# Altium PCB MCU025B.PcbDoc (part 2 of 3)
Units mm, origin at the board's own origin, x right, y up, seen from the top; angles counter-clockwise.
Board outline 60.42 x 146.24 mm, 6 copper layers (Top Signal, ISO GND, Middle Signal, PWR, SYS GND, Bottom Signal), stack 1.566 mm thick; 203 components, 176 nets, 822 pads, 366 vias.
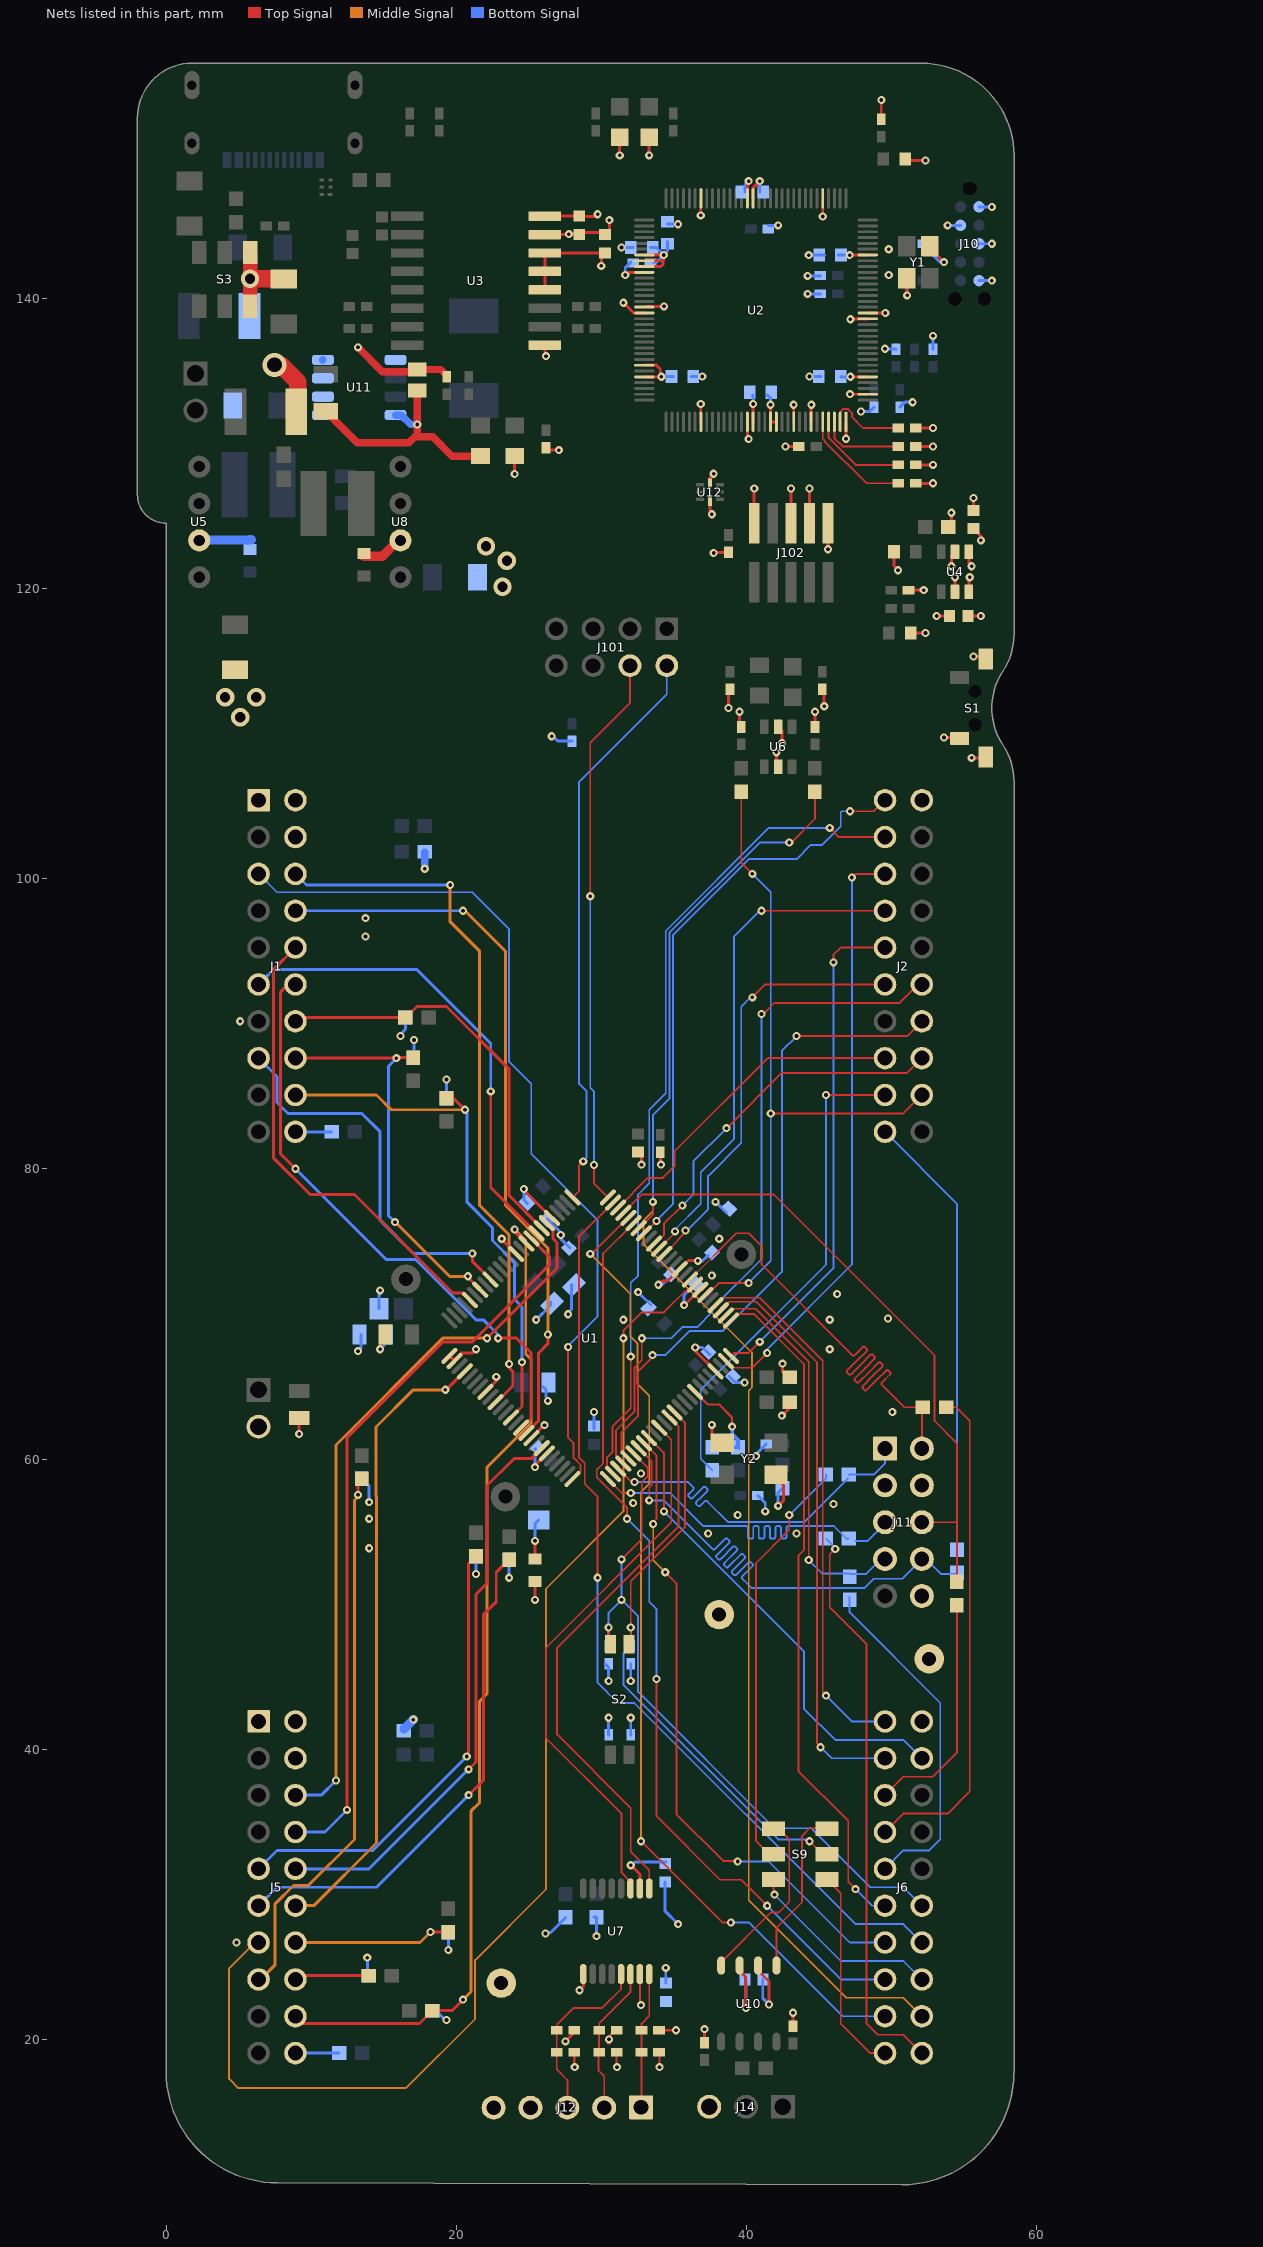
[diagram p6: the nets of this part, all layers, seen from the top]

## Part data (continued)
LED1 LED4 LED6: library part CMP-1426-00010-4, "Led, Red, 630 Nm, 1.9 V, 30 Ma, 60 Mcd Rohs Compliant: Yes", Case Code (Imperial)=0805, Case Code (Metric)=2012, Color=Red, Forward Current=100mA, Forward Voltage=1.9V, Max Junction Temperature (Tj)=95°C, Max Operating Temperature=85°C, Max Reverse Voltage (DC)=5V, Min Operating Temperature=-40°C, Power Dissipation=72mW, Test Current=20mA, Case/Package=0805, Dominant Wavelength=630nm, Height=700µm, Length=2mm, Lens Style="Clear, Rectangular", Luminous Intensity=60mcd, Mount="Surface Mount", Packaging="Tape and Reel", Peak Wavelength=645nm, REACH SVHC=Unknown, Reverse Voltage=5V, RoHS=Compliant, Viewing Angle=140°, Wavelength=630nm, Width=1.25mm
LED2 LED3: library part CMP-0002889-1, "LED, Blue, SMD", Color=Blue, Manufacturer=Lite-On, Supplier Part Number 1=160-1579-1-ND, Value1=W, Value2=3.3V, ComponentLink1Description="Datasheet link", ComponentLink1URL=http://optoelectronics.liteon.com/upload/download/DS-22-99-0226/S_110_LTST-C170TBKT.pdf, CompType=LED, Io_A=20mA, LatestRevisionDate=2017-03-09, MountType=SMT, PackageReference=LED_0805, PartNumber=LTST-C170TBKT, Published=2008-07-11, Publisher="Texas Instruments", RoHS=Y, Supplier 1=Digi-Key, Supplier 2=Mouser, Supplier Part Number 2=859-LTST-C170TBKT, Type=AlInGaP, U/M=EA, Vf_V=3.3V
LED5: library part CMP-0002830-2, "LED, Green, SMD", Color=green, Manufacturer=Lite-On, Supplier Part Number 1=160-1423-1-ND, Value1=W, Value2=2.1V, ComponentLink1Description="Datasheet link", ComponentLink1URL=https://sps06.itg.ti.com/sites/KMS/crossdivteams/altium/docs/ComponentDatasheets/LTST-C171GKT.pdf, CompType=LED, Io_A=20A, LatestRevisionDate=2017-03-09, MountType=SMT, PackageReference="0805 LED", PartNumber=LTST-C171GKT, Published=2008-07-11, Publisher="Texas Instruments", RoHS=Y, SizeArea_mm2=2.5, SizeAreaWB_mm2=6.75, SizeX_mm=2, SizeY_mm=1.25, SizeZ_mm=1.2, Supplier 1=Digi-Key, Supplier 2=Mouser, Supplier Part Number 2=859-LTST-C171GKT, Type=AlInGaP, U/M=EA, Vf_V=2.1V
M1 M2 M3 M4 M5 M6 M9: library part CMP-0003761-2, "Shunt, 2.54mm, Gold, Black", Manufacturer="Wurth Elektronik", Supplier Part Number 1=732-2678-ND, ClassName=Shunt, ComponentLink1Description="Datasheet Link", ComponentLink1URL=http://katalog.we-online.de/em/datasheet/60900213421.pdf, CompType=Shunt, MountType=N/A, PackageReference="Shunt, 2.54mm, Black", PartNumber=60900213421, RoHS=Y, Supplier 1=Digi-Key, Supplier 2=Newark, Supplier 3=Mouser, Supplier Part Number 2=16T0609, Supplier Part Number 3=710-60900213421
R1 R2 R103 R104: library part CMP-0026197-2, "RES, 24.3, 1%, 0.063 W, AEC-Q200 Grade 0, 0402", Manufacturer=Vishay-Dale, Power_W=63mW, Supplier Part Number 1=541-24.3LCT-ND, TempCo="100 ppm/C", Tolerance_%=1%, Value2=0.063W, Value_Code=24R3, ValueDisplayed=24.3, AEC Category=Q200, AEC Grade=0, AEC Qualified=Y, ComponentLink1Description="Datasheet link", ComponentLink1URL=http://www.vishay.com/docs/20035/dcrcwe3.pdf, CompType=Resistor, EIA_Code=E96, MountType=SMT, PackageReference=0402, PartNumber=CRCW040224R3FKED, Res_ohm=24.3, RoHS=E, SizeArea_mm2=0.5, SizeX_mm=1, SizeY_mm=0.5, SizeZ_mm=0.6, Supplier 1=Digi-Key, Supplier 2=Newark, Supplier 3=Mouser, Supplier Part Number 2=52K6877, Supplier Part Number 3=71-CRCW0402-24.3-E3, Technology="Thick Film", Value1=1%, VDC_V=50V
R3 R29 R30: library part CMP-0026962-3, "RES, 680, 5%, 0.063 W, AEC-Q200 Grade 0, 0402", Manufacturer=Vishay-Dale, Power_W=63mW, Supplier Part Number 1=541-680JCT-ND, TempCo="200 ppm/C", Tolerance_%=5%, Value2=0.063W, Value_Code=680R, ValueDisplayed=680, AEC Category=Q200, AEC Grade=0, AEC Qualified=Y, ComponentLink1Description="Datasheet link", ComponentLink1URL=http://www.vishay.com/docs/20035/dcrcwe3.pdf, CompType=Resistor, EIA_Code=E24, MountType=SMT, PackageReference=0402, PartNumber=CRCW0402680RJNED, Res_ohm=680, RoHS=E, SizeArea_mm2=0.5, SizeX_mm=1, SizeY_mm=0.5, SizeZ_mm=0.6, Supplier 1=Digi-Key, Supplier 2=Newark, Supplier 3=Mouser, Supplier Part Number 2=59M6744, Supplier Part Number 3=71-CRCW0402J-680-E3, Technology="Thick Film", Value1=5%, VDC_V=50V
R4 R10 R32 R40 R41: library part CMP-0026890-5, "RES, 2.2 k, 5%, 0.063 W, AEC-Q200 Grade 0, 0402", Manufacturer=Vishay-Dale, Power_W=63mW, Supplier Part Number 1=541-2.2KJCT-ND, TempCo="200 ppm/C", Tolerance_%=5%, Value2=0.063W, Value_Code=2k20, ValueDisplayed=2.2k, AEC Category=Q200, AEC Grade=0, AEC Qualified=Y, ComponentLink1Description="Datasheet link", ComponentLink1URL=http://www.vishay.com/docs/20035/dcrcwe3.pdf, CompType=Resistor, EIA_Code=E24, MountType=SMT, PackageReference=0402, PartNumber=CRCW04022K20JNED, Res_ohm=2.2k, RoHS=E, SizeArea_mm2=0.5, SizeX_mm=1, SizeY_mm=0.5, SizeZ_mm=0.6, Supplier 1=Digi-Key, Supplier 2=Newark, Supplier 3=Mouser, Supplier Part Number 2=59M6710, Supplier Part Number 3=71-CRCW0402J-2.2K-E3, Technology="Thick Film", Value1=5%, VDC_V=50V
R5: library part CMP-0026822-3, "RES, 0, 5%, 0.063 W, AEC-Q200 Grade 0, 0402", Manufacturer=Vishay-Dale, Power_W=63mW, Supplier Part Number 1=541-0.0JCT-ND, TempCo="200 ppm/C", Tolerance_%=5%, Value2=0.063W, Value_Code=0000, ValueDisplayed=0, AEC Category=Q200, AEC Grade=0, AEC Qualified=Y, ComponentLink1Description="Datasheet link", ComponentLink1URL=http://www.vishay.com/docs/20035/dcrcwe3.pdf, CompType=Resistor, EIA_Code=E24, MountType=SMT, PackageReference=0402, PartNumber=CRCW04020000Z0ED, Res_ohm=0, RoHS=E, SizeArea_mm2=0.5, SizeX_mm=1, SizeY_mm=0.5, SizeZ_mm=0.6, Supplier 1=Digi-Key, Supplier 2=Newark, Supplier 3=Mouser, Supplier Part Number 2=52K6543, Supplier Part Number 3=71-CRCW0402-0-E3, Technology="Thick Film", Value1=5%, VDC_V=50V
R6 R7 R42: library part CMP-0025769-4, "RES, 2.2 k, 5%, 0.1 W, AEC-Q200 Grade 0, 0603", Manufacturer=Vishay-Dale, Power_W=100mW, Supplier Part Number 1=541-2.2KGCT-ND, TempCo="200 ppm/C", Tolerance_%=5%, Value2=0.1W, Value_Code=2k20, ValueDisplayed=2.2k, AEC Category=Q200, AEC Grade=0, AEC Qualified=Y, ComponentLink1Description="Datasheet link", ComponentLink1URL=http://www.vishay.com/docs/20035/dcrcwe3.pdf, CompType=Resistor, EIA_Code=E24, MountType=SMT, PackageReference=0603, PartNumber=CRCW06032K20JNEA, Res_ohm=2.2k, RoHS=E, SizeArea_mm2=1.28, SizeX_mm=1.6, SizeY_mm=0.8, SizeZ_mm=1, Supplier 1=Digi-Key, Supplier 2=Newark, Supplier 3=Farnell, Supplier Part Number 2=59M6776, Supplier Part Number 3=1652868, Technology="Thick Film", Value1=5%, VDC_V=75V
R8 R55: library part CMP-0022769-3, "RES, 120, 1%, 0.1 W, 0603", Manufacturer="Yageo America", Power_W=100mW, Supplier Part Number 1=311-120HRCT-ND, TempCo="200 ppm/C", Tolerance_%=1%, Value2=0.1W, Value_Code=120R, ValueDisplayed=120, AEC Category=Q200, AEC Qualified=?, ComponentLink1Description="Datasheet link", ComponentLink1URL=http://www.yageo.com/pdf/Pu-RC0603_51_PbFree_L_2.pdf, CompType=Resistor, LatestRevisionDate=2017-03-09, MountType=SMT, PackageReference=0603, PartNumber=RC0603FR-07120RL, Published=2008-06-26, Publisher="Texas Instruments", Res_ohm=120, RoHS=Y, SizeArea_mm2=1.28, SizeX_mm=1.6, SizeY_mm=0.8, SizeZ_mm=1, Supplier 1=Digi-Key, Supplier 2=Mouser, Supplier 3=Farnell, Supplier Part Number 2=603-RC0603FR-07120RL, Supplier Part Number 3=9238379, Technology="Thick Film", U/M=EA, Value1=1%, VDC_V=150V
R11 R12 R13 R14 R15 R16 R17 R18 R19 R20 R21 R22 R23 R24 R25 R26 R27 R28 R31 R35 R38 R39 R43 R44 R45 R46 R47 R71 R72: library part CMP-0025697-4, "RES, 0, 5%, 0.1 W, AEC-Q200 Grade 0, 0603", Manufacturer=Vishay-Dale, Power_W=100mW, Supplier Part Number 1=541-0.0GCT-ND, TempCo="200 ppm/C", Tolerance_%=5%, Value2=0.1W, Value_Code=0000, ValueDisplayed=0, AEC Category=Q200, AEC Grade=0, AEC Qualified=Y, ComponentLink1Description="Datasheet link", ComponentLink1URL=http://www.vishay.com/docs/20035/dcrcwe3.pdf, CompType=Resistor, EIA_Code=E24, MountType=SMT, PackageReference=0603, PartNumber=CRCW06030000Z0EA, Res_ohm=0, RoHS=E, SizeArea_mm2=1.28, SizeX_mm=1.6, SizeY_mm=0.8, SizeZ_mm=1, Supplier 1=Digi-Key, Supplier 2=Newark, Supplier 3=Mouser, Supplier Part Number 2=52K8014, Supplier Part Number 3=71-CRCW0603-0-E3, Technology="Thick Film", Value1=5%, VDC_V=75V
R33 R34: library part CMP-0026949-3, "RES, 56 k, 5%, 0.063 W, AEC-Q200 Grade 0, 0402", Manufacturer=Vishay-Dale, Power_W=63mW, Supplier Part Number 1=541-56KJCT-ND, TempCo="200 ppm/C", Tolerance_%=5%, Value2=0.063W, Value_Code=56k0, ValueDisplayed=56k, AEC Category=Q200, AEC Grade=0, AEC Qualified=Y, ComponentLink1Description="Datasheet link", ComponentLink1URL=http://www.vishay.com/docs/20035/dcrcwe3.pdf, CompType=Resistor, EIA_Code=E24, MountType=SMT, PackageReference=0402, PartNumber=CRCW040256K0JNED, Res_ohm=56k, RoHS=E, SizeArea_mm2=0.5, SizeX_mm=1, SizeY_mm=0.5, SizeZ_mm=0.6, Supplier 1=Digi-Key, Supplier 2=Newark, Supplier 3=Mouser, Supplier Part Number 2=89M6680, Supplier Part Number 3=71-CRCW0402J-56K-E3, Technology="Thick Film", Value1=5%, VDC_V=50V
R36 R37: library part CMP-0026826-2, "RES, 10 M, 5%, 0.063 W, AEC-Q200 Grade 0, 0402", Manufacturer=Vishay-Dale, Power_W=63mW, Supplier Part Number 1=541-10MJCT-ND, TempCo="200 ppm/C", Tolerance_%=5%, Value2=0.063W, Value_Code=10M0, ValueDisplayed=10M, AEC Category=Q200, AEC Grade=0, AEC Qualified=Y, ComponentLink1Description="Datasheet link", ComponentLink1URL=http://www.vishay.com/docs/20035/dcrcwe3.pdf, CompType=Resistor, EIA_Code=E24, MountType=SMT, PackageReference=0402, PartNumber=CRCW040210M0JNED, Res_ohm=10M, RoHS=E, SizeArea_mm2=0.5, SizeX_mm=1, SizeY_mm=0.5, SizeZ_mm=0.6, Supplier 1=Digi-Key, Supplier 2=Newark, Supplier 3=Mouser, Supplier Part Number 2=59M6697, Supplier Part Number 3=71-CRCW0402J-10M-E3, Technology="Thick Film", Value1=5%, VDC_V=50V
R48 R49 R50: library part CMP-0026071-3, "RES, 1.00 k, 1%, 0.063 W, AEC-Q200 Grade 0, 0402", Manufacturer=Vishay-Dale, Power_W=63mW, Supplier Part Number 1=541-1.00KLCT-ND, TempCo="100 ppm/C", Tolerance_%=1%, Value2=0.063W, Value_Code=1k00, ValueDisplayed=1.00k, AEC Category=Q200, AEC Grade=0, AEC Qualified=Y, ComponentLink1Description="Datasheet link", ComponentLink1URL=http://www.vishay.com/docs/20035/dcrcwe3.pdf, CompType=Resistor, EIA_Code=E96, MountType=SMT, PackageReference=0402, PartNumber=CRCW04021K00FKED, Res_ohm=1k, RoHS=E, SizeArea_mm2=0.5, SizeX_mm=1, SizeY_mm=0.5, SizeZ_mm=0.6, Supplier 1=Digi-Key, Supplier 2=Newark, Supplier 3=Mouser, Supplier Part Number 2=52K6545, Supplier Part Number 3=71-CRCW0402-1.0K-E3, Technology="Thick Film", Value1=1%, VDC_V=50V
R54 R56: library part CMP-0025958-3, "RES, 10.0 k, 1%, 0.063 W, AEC-Q200 Grade 0, 0402", Manufacturer=Vishay-Dale, Power_W=63mW, Supplier Part Number 1=541-10.0KLCT-ND, TempCo="100 ppm/C", Tolerance_%=1%, Value2=0.063W, Value_Code=10k0, ValueDisplayed=10.0k, AEC Category=Q200, AEC Grade=0, AEC Qualified=Y, ComponentLink1Description="Datasheet link", ComponentLink1URL=http://www.vishay.com/docs/20035/dcrcwe3.pdf, CompType=Resistor, EIA_Code=E96, MountType=SMT, PackageReference=0402, PartNumber=CRCW040210K0FKED, Res_ohm=10k, RoHS=E, SizeArea_mm2=0.5, SizeX_mm=1, SizeY_mm=0.5, SizeZ_mm=0.6, Supplier 1=Digi-Key, Supplier 2=Newark, Supplier 3=Mouser, Supplier Part Number 2=52K6595, Supplier Part Number 3=71-CRCW0402-10K-E3, Technology="Thick Film", Value1=1%, VDC_V=50V
R57: library part CMP-0026918-5, "RES, 3.3 k, 5%, 0.063 W, AEC-Q200 Grade 0, 0402", Manufacturer=Vishay-Dale, Power_W=63mW, Supplier Part Number 1=541-3.3KJCT-ND, TempCo="200 ppm/C", Tolerance_%=5%, Value2=0.063W, Value_Code=3k30, ValueDisplayed=3.3k, AEC Category=Q200, AEC Grade=0, AEC Qualified=Y, ComponentLink1Description="Datasheet link", ComponentLink1URL=http://www.vishay.com/docs/20035/dcrcwe3.pdf, CompType=Resistor, EIA_Code=E24, MountType=SMT, PackageReference=0402, PartNumber=CRCW04023K30JNED, Res_ohm=3.3k, RoHS=E, SizeArea_mm2=0.5, SizeX_mm=1, SizeY_mm=0.5, SizeZ_mm=0.6, Supplier 1=Digi-Key, Supplier 2=Newark, Supplier 3=Mouser, Supplier Part Number 2=59M6723, Supplier Part Number 3=71-CRCW0402J-3.3K-E3, Technology="Thick Film", Value1=5%, VDC_V=50V
R58 R59 R60 R61: library part CMP-0026852-3, "RES, 1.0 k, 5%, 0.063 W, AEC-Q200 Grade 0, 0402", Manufacturer=Vishay-Dale, Power_W=63mW, Supplier Part Number 1=541-1.0KJCT-ND, TempCo="200 ppm/C", Tolerance_%=5%, Value2=0.063W, Value_Code=1k00, ValueDisplayed=1.0k, AEC Category=Q200, AEC Grade=0, AEC Qualified=Y, ComponentLink1Description="Datasheet link", ComponentLink1URL=http://www.vishay.com/docs/20035/dcrcwe3.pdf, CompType=Resistor, EIA_Code=E24, MountType=SMT, PackageReference=0402, PartNumber=CRCW04021K00JNED, Res_ohm=1k, RoHS=E, SizeArea_mm2=0.5, SizeX_mm=1, SizeY_mm=0.5, SizeZ_mm=0.6, Supplier 1=Digi-Key, Supplier 2=Newark, Supplier 3=Mouser, Supplier Part Number 2=59M6691, Supplier Part Number 3=71-CRCW0402J-1.0K-E3, Technology="Thick Film", Value1=5%, VDC_V=50V
R62 R66: library part CMP-0026824-3, "RES, 100, 5%, 0.063 W, AEC-Q200 Grade 0, 0402", Manufacturer=Vishay-Dale, Power_W=63mW, Supplier Part Number 1=541-100JCT-ND, TempCo="200 ppm/C", Tolerance_%=5%, Value2=0.063W, Value_Code=100R, ValueDisplayed=100, AEC Category=Q200, AEC Grade=0, AEC Qualified=Y, ComponentLink1Description="Datasheet link", ComponentLink1URL=http://www.vishay.com/docs/20035/dcrcwe3.pdf, CompType=Resistor, EIA_Code=E24, MountType=SMT, PackageReference=0402, PartNumber=CRCW0402100RJNED, Res_ohm=100, RoHS=E, SizeArea_mm2=0.5, SizeX_mm=1, SizeY_mm=0.5, SizeZ_mm=0.6, Supplier 1=Digi-Key, Supplier 2=Newark, Supplier 3=Mouser, Supplier Part Number 2=59M6700, Supplier Part Number 3=71-CRCW0402J-100-E3, Technology="Thick Film", Value1=5%, VDC_V=50V
R63 R64: library part CMP-0026699-1, "RES, 470, 1%, 0.1 W, AEC-Q200 Grade 0, 0402", Manufacturer=Panasonic, Power_W=100mW, Supplier Part Number 1=P470LCT-ND, TempCo="100 ppm/C", Tolerance_%=1%, Value2=0.1W, Value_Code=470R, ValueDisplayed=470, AEC Category=Q200, AEC Grade=0, AEC Qualified=Y, ComponentLink1Description="Datasheet link", ComponentLink1URL=http://industrial.panasonic.com/lecs/www-data/pdf/AOA0000/AOA0000CE2.pdf, CompType=Resistor, LatestRevisionDate=2017-03-09, MountType=SMT, PackageReference=0402, PartNumber=ERJ-2RKF4700X, Published=2008-06-26, Publisher="Texas Instruments", Res_ohm=470, RoHS=Y, SizeArea_mm2=0.5, SizeX_mm=1, SizeY_mm=0.5, SizeZ_mm=0.6, Supplier 1=Digi-Key, Supplier 2=Mouser, Supplier 3=Farnell, Supplier Part Number 2=667-ERJ-2RKF4700X, Supplier Part Number 3=2397145, Technology="Thick Film", U/M=EA, Value1=1%, VDC_V=50V
R65 R67: library part CMP-0026825-5, "RES, 10 k, 5%, 0.063 W, AEC-Q200 Grade 0, 0402", Manufacturer=Vishay-Dale, Power_W=63mW, Supplier Part Number 1=541-10KJCT-ND, TempCo="200 ppm/C", Tolerance_%=5%, Value2=0.063W, Value_Code=10k0, ValueDisplayed=10k, AEC Category=Q200, AEC Grade=0, AEC Qualified=Y, ComponentLink1Description="Datasheet link", ComponentLink1URL=http://www.vishay.com/docs/20035/dcrcwe3.pdf, CompType=Resistor, EIA_Code=E24, MountType=SMT, PackageReference=0402, PartNumber=CRCW040210K0JNED, Res_ohm=10k, RoHS=E, SizeArea_mm2=0.5, SizeX_mm=1, SizeY_mm=0.5, SizeZ_mm=0.6, Supplier 1=Digi-Key, Supplier 2=Newark, Supplier 3=Mouser, Supplier Part Number 2=59M6696, Supplier Part Number 3=71-CRCW0402J-10K-E3, Technology="Thick Film", Value1=5%, VDC_V=50V
R68: library part CMP-0026413-2, "RES, 4.87 k, 1%, 0.063 W, AEC-Q200 Grade 0, 0402", Manufacturer=Vishay-Dale, Power_W=63mW, Supplier Part Number 1=541-4.87KLCT-ND, TempCo="100 ppm/C", Tolerance_%=1%, Value2=0.063W, Value_Code=4k87, ValueDisplayed=4.87k, AEC Category=Q200, AEC Grade=0, AEC Qualified=Y, ComponentLink1Description="Datasheet link", ComponentLink1URL=http://www.vishay.com/docs/20035/dcrcwe3.pdf, CompType=Resistor, EIA_Code=E96, MountType=SMT, PackageReference=0402, PartNumber=CRCW04024K87FKED, Res_ohm=4.87k, RoHS=E, SizeArea_mm2=0.5, SizeX_mm=1, SizeY_mm=0.5, SizeZ_mm=0.6, Supplier 1=Digi-Key, Supplier 2=Newark, Supplier 3=Mouser, Supplier Part Number 2=52K7047, Supplier Part Number 3=71-CRCW0402-4.87K-E3, Technology="Thick Film", Value1=1%, VDC_V=50V
R70: library part CMP-0026946-3, "RES, 51, 5%, 0.063 W, AEC-Q200 Grade 0, 0402", Manufacturer=Vishay-Dale, Power_W=63mW, Supplier Part Number 1=541-51JCT-ND, TempCo="200 ppm/C", Tolerance_%=5%, Value2=0.063W, Value_Code=51R0, ValueDisplayed=51, AEC Category=Q200, AEC Grade=0, AEC Qualified=Y, ComponentLink1Description="Datasheet link", ComponentLink1URL=http://www.vishay.com/docs/20035/dcrcwe3.pdf, CompType=Resistor, EIA_Code=E24, MountType=SMT, PackageReference=0402, PartNumber=CRCW040251R0JNED, Res_ohm=51, RoHS=E, SizeArea_mm2=0.5, SizeX_mm=1, SizeY_mm=0.5, SizeZ_mm=0.6, Supplier 1=Digi-Key, Supplier 2=Newark, Supplier 3=Mouser, Supplier Part Number 2=72M6804, Supplier Part Number 3=71-CRCW0402J-51-E3, Technology="Thick Film", Value1=5%, VDC_V=50V
R100: library part CMP-0026100-2, "RES, 1.00 M, 1%, 0.063 W, AEC-Q200 Grade 0, 0402", Manufacturer=Vishay-Dale, Power_W=63mW, Supplier Part Number 1=541-1.00MLCT-ND, TempCo="100 ppm/C", Tolerance_%=1%, Value2=0.063W, Value_Code=1M00, ValueDisplayed=1.00M, AEC Category=Q200, AEC Grade=0, AEC Qualified=Y, ComponentLink1Description="Datasheet link", ComponentLink1URL=http://www.vishay.com/docs/20035/dcrcwe3.pdf, CompType=Resistor, EIA_Code=E96, MountType=SMT, PackageReference=0402, PartNumber=CRCW04021M00FKED, Res_ohm=1M, RoHS=E, SizeArea_mm2=0.5, SizeX_mm=1, SizeY_mm=0.5, SizeZ_mm=0.6, Supplier 1=Digi-Key, Supplier 2=Newark, Supplier 3=Mouser, Supplier Part Number 2=52K6593, Supplier Part Number 3=71-CRCW0402-1.0M-E3, Technology="Thick Film", Value1=1%, VDC_V=50V
S1: library part CMP-0002328-1, "Switch, SPST, 0.05 A, 12 VDC, SMD", CurrentRating_mA=50A, Manufacturer=Diptronics, Circuit=SPST, ComponentLink1Description="Datasheet URL", ComponentLink1URL=http://www.dip.com.tw/en/en-product-information/en-switch004/item/download/1976_b080c057386714e3a6604cbe658b9df3, CompType=Switch, LatestRevisionDate=2017-03-09, MountType=SMT, Orientation="Side Actuated", PackageReference=7.8x3.5mm, PartNumber=1188E-1K2-V-TR, PositionCount=1, Publisher="Texas Instruments", RoHS=Y, SizeArea_mm2=27.3, SizeAreaWB_mm2=53.9, SizeX_mm=7.8, SizeY_mm=3.5, SizeZ_mm=3.5, VDC_V=12V
S2: library part CMP-0002230-1, "Switch, SPST, 2 Pos, 25mA, 24VDC, SMD", CurrentRating_mA=25A, Manufacturer="CTS Electrocomponents", Supplier Part Number 1=CT2182LPST-ND, Circuit=SPST, ComponentLink1Description="Datasheet Link", ComponentLink1URL=http://www.ctscorp.com/components/Datasheets/218.pdf, CompType=Switch, LatestRevisionDate=2017-03-09, MountType=SMT, Orientation="Top Actuated", PackageReference=3.71x5.8mm, PartNumber=218-2LPST, PositionCount=2, Publisher="Texas Instruments", RoHS=Y, Supplier 1=Digi-Key, Supplier 2=Mouser, Supplier Part Number 2=774-2182LPST, SwitchFunction=Off-On, VDC_V=24V
S3 S9: library part CMP-0002123-2, "SLIDE SWITCH DPDT  .1A, SMT", CurrentRating_mA=100A, Manufacturer="Copal Electronics", Supplier Part Number 1=CAS220JCT-ND, Circuit=DPDT, ComponentLink1Description="Datasheet URL", ComponentLink1URL=http://copal-electronics.info/en/0008e/02462.pdf, CompType=Switch, LatestRevisionDate=2017-03-09, MountType=SMT, Orientation=Horizontal, PackageReference="SWITCH, 5.4x2.5x3.9mm", PartNumber=CAS-220TA, PositionCount=2, Publisher="Texas Instruments", RoHS=Y, Supplier 1=Digi-Key, SwitchFunction=On-On, VDC_V=6V
TP1 TP2 TP3 TP4 TP5 TP6: library part CMP-0078143-2, "TEST POINT.  No entry in BOM.", Manufacturer=N/A, CompType=Testpoint, PackageReference=N/A, PartNumber=N/A
U1: library part CMP-0078352-1, "Piccolo Microcontroller, PZ0100A (LQFP-100)", Alternate Manufacturer="Texas Instruments", AEC Category=Q200, AEC Qualified=N, ComponentLink1Description="Datasheet Link", ComponentLink1URL=http://www.ti.com/lit/ds/symlink/tms320f280049c.pdf, ComponentLink2Description="Product Folder", ComponentLink2URL=http://www.ti.com/product/tms320f280049c, CompType=IC, Manufacturer="Texas Instruments", MountType=SMT, PackageDescription=LQFP-100, PackageReference=PZ0100A, PartId=1, PartNumber=F280049CPZS, SizeArea_mm2=256, SizeAreaWB_mm2=324, SizeX_mm=16, SizeY_mm=16, SizeZ_mm=1.6
U2: library part CMP-0077953-1, "MSP432E401YTPDT, PDT0128A (TQFP-128)", Alternate Manufacturer="Texas Instruments", Alternate PartNumber=MSP432E401YTPDTR, AEC Category=Q200, AEC Qualified=N, ComponentLink1Description="Datasheet Link", ComponentLink1URL=http://www.ti.com/lit/ds/symlink/tm4c129encpdt.pdf, ComponentLink2Description="Product Folder", ComponentLink2URL=TBD, CompType=IC, Manufacturer="Texas Instruments", MountType=SMT, PackageDescription=TQFP-128, PackageReference=PDT0128A, PartId=1, PartNumber=MSP432E401YTPDT, SizeArea_mm2=256, SizeAreaWB_mm2=324, SizeX_mm=16, SizeY_mm=16, SizeZ_mm=1.2
U3: library part CMP-0074604-2, "Full/Low Speed 2.5 kV USB Digital Isolator, SOIC-16", Manufacturer="Analog Devices", Supplier Part Number 1=ADUM3160BRWZ-ND, ComponentLink1Description="Datasheet URL", ComponentLink1URL=http://www.analog.com/media/en/technical-documentation/data-sheets/ADuM3160.pdf, LatestRevisionDate=2017-06-16, MountType=SMT, PackageReference="SOIC, 16-Leads, Body 10.3x7.5mm, Pitch 1.27mm", PartNumber=ADuM3160BRWZ, Publisher="Texas Instruments", RoHS=Y, Supplier 1=Digi-Key, Supplier 2=Newark, Supplier 3=Mouser, Supplier Part Number 2=85R6420, Supplier Part Number 3=584-ADUM3160BRWZ
U4: library part CMP-0067340-2, "High-Accuracy, Fixed-Threshold OV/UV Monitor, DDC0006A (SOT-23-T-6)", Alternate Manufacturer="Texas Instruments", Alternate PartNumber=TPS3702CX33DDCT, ComponentLink1Description="Datasheet Link", ComponentLink1URL=http://www.ti.com/lit/ds/symlink/tps3702.pdf, CompType=IC, LatestRevisionDate=2017-06-09, Manufacturer="Texas Instruments", MountType=SMT, PackageDescription=SOT-23-T-6, PackageReference=DDC0006A, PartNumber=TPS3702CX33DDCR, Publisher="Texas Instruments", RoHS=Y, SizeArea_mm2=4.8675, SizeAreaWB_mm2=10.4675, SizeX_mm=1.65, SizeY_mm=2.95, SizeZ_mm=0.87, U/M=EA
U5: library part CMP-019-00058-1, "Isolated Module DC DC Converters 5v~5v", Max Supply Voltage=5.5V, Min Supply Voltage=4.5V, Output Voltage=5V
U6: library part CMP-0051789-2, "Dual Buffer/Driver with Open-Drain Output, DBV0006A, LARGE T&R", F @ Nom Voltage(Max)(Mhz)=150, Generic Part Number=SN74LVC2G07, ICC @ Nom Voltage(Max)(mA)=0.01, Manufacturer="Texas Instruments", Operating Temperature Range(C)="-40 to 125", Rating=Catalog, tpd @ Nom Voltage(Max)(ns)=8.6,4.4,3.7,2.9, Voltage(Nom)(V)=1.8,2.5,3.3,5, 3-State Output=No, AEC Category=Q200, AEC Qualified=N, Bits(#)=2, ComponentLink1Description="Datasheet Link", ComponentLink1URL=http://www.ti.com/lit/ds/symlink/sn74lvc2g07.pdf, ComponentLink2Description="Product Folder", ComponentLink2URL=http://www.ti.com/product/sn74lvc2g07, ComponentLink3Description="Online Datasheet", ComponentLink3URL=http://www.ti.com/product/sn74lvc2g07/datasheet, CompType=IC, DatasheetVersion=SCES308K, Green_EU RoHS=Passed, Green_EU RoHS-2=Passed, Green_Lifecycle=Active, Green_REACh=Passed, Input Type=CMOS/TTL, Logic=True, MountType=SMT, Output Drive (IOL/IOH)(Max)(mA)=32/-32, Output Type=CMOS, PackageDescription=SOT-23-6, PackageReference=DBV0006A, PartNumber=SN74LVC2G07DBVR, RoHS=Y, Schmitt Trigger=No, SizeArea_mm2=8.12, SizeAreaWB_mm2=14.82, SizeX_mm=2.8, SizeY_mm=2.9, SizeZ_mm=1.45, Sub-Family="Inverting Buffer/Driver", Technology Family=LVC, VCC(Max)(V)=5.5, VCC(Min)(V)=1.65
U7: library part CMP-0067443-1, "6-Bit Bidirectional Voltage-Level Translator with Auto Direction Sensing and +/-15-kV ESD Protect, PW0016A (TSSOP-16)", Alternate Manufacturer="Texas Instruments", ComponentLink1Description="Datasheet Link", ComponentLink1URL=http://www.ti.com/lit/ds/symlink/txb0106.pdf, CompType=IC, Footprint Path 6=C:\AltiumLibraries\Footprints\TI\.PcbLib, Green_EU RoHS=Passed, Green_EU RoHS-2=Passed, Green_Lifecycle=Active, Green_REACh=Passed, LatestRevisionDate=2017-06-09, Manufacturer="Texas Instruments", MountType=SMT, PackageDescription=TSSOP-16, PackageReference=PW0016A, PartNumber=TXB0106PWR, Publisher="Texas Instruments", RoHS=Y, SizeArea_mm2=32.0, SizeAreaWB_mm2=58.8, SizeX_mm=6.4, SizeY_mm=5.0, SizeZ_mm=1.2, U/M=EA
U8: library part CMP-019-00057-3, "Isolated Module DC DC Converters"
U10: library part CMP-0033355-1, "3.3V CAN Transceiver with Sleep Mode, 6 mA, -40 to 125 degC, 8-pin SOIC (D), Green (RoHS & no Sb/Br)", Bus Fault Voltage(V)=+/-30, Drivers Per Package=1, Low Power Mode=Sleep, Manufacturer="Texas Instruments", Rating=Catalog, Supply Voltage(s)(V)=3.3, Code_JEDEC=MS-012AA, ComponentLink1Description=Datasheet, ComponentLink1URL=http://www.ti.com/general/docs/lit/getliterature.tsp?genericPartNumber=SN65HVD234&fileType=pdf, DatasheetVersion=SLLS557F, Eco-Plan="Green (RoHS & no Sb/Br)", ICC(Max)(mA)=6, Isolated=No, Mounting Technology="Surface Mount", PackageDescription="8-Pin Plastic Small Outline Integrated Circuit, 4.9 x 3.9 mm, Pitch 1.27 mm Pitch", PackageReference=D0008A, PackageVersion="revM, Jun-2011", PartNumber=SN65HVD234DR, Receivers Per Package=1, SubFamily=CAN, Transient Pulse Protection(V)="-100 to 100"
U11: library part CMP-019-00049-3, "Switching Regulator, Voltage-mode, 2A, 173kHz Switching Freq-Max, BIPolar, PDSO8", Case/Package=SOP, Frequency=173kHz, Max Operating Temperature=85°C, Max Supply Voltage=22V, Min Operating Temperature=-20°C, Pins=8, RoHS Compliant=Yes
U12: library part CMP-0043125-2, "Low-Capacitance + / - 15 kV ESD Protection Array for High-Speed Data Interfaces, 6 Channels, -40 to +85 degC, 8-pin UQFN (RSE), Green (RoHS & no Sb/Br)", Breakdown Voltage(Min)(V)=6, IO Capacitance(Typ)(pF)=1.6, IO Leakage Current(nA)=1, Manufacturer="Texas Instruments", 1394 / Firewire=TRUE, ComponentLink1Description="Manufacturer URL", ComponentLink1URL=http://www.ti.com/, ComponentLink2Description=Datasheet, ComponentLink2URL=http://www.ti.com/general/docs/lit/getliterature.tsp?genericPartNumber=TPD6E004&fileType=pdf, ComponentLink3Description="URL Link1", ComponentLink3URL=SamplesURL:http://www.ti.com/product/tpd6e004#samples, DatasheetVersion=SLLS799A, Eco-Plan="Green (RoHS & no Sb/Br)", IEC 61000-4-2 Air-Gap(+/- kV)=12, IEC 61000-4-2 Contact(+/- kV)=8, Mounting Technology="Surface Mount", PackageDescription="8-Pin Plastic Quad Flatpack No-Lead, 1.5 x 1.5 mm Body, 0.5 mm Pitch", PackageReference=RSE0008A, PackageVersion="revD, Jan-2011", PartNumber=TPD6E004RSER, Serial ATA / eSATA=TRUE, SubFamily="ESD Solution", USB High Speed=TRUE
U100: library part CMP-0043115-2, "ESD-Protection Array for High-Speed Data Interfaces, 4 Channels, -40 to +85 degC, 6-pin SON (DRY), Green (RoHS & no Sb/Br)", Breakdown Voltage(Min)(V)=6, IO Capacitance(Typ)(pF)=1.6, IO Leakage Current(nA)=1, Manufacturer="Texas Instruments", 1394 / Firewire=TRUE, AEC Category=Q200, AEC Qualified=N, ComponentLink1Description="Datasheet Link", ComponentLink1URL=http://www.ti.com/lit/ds/symlink/tpd4e004.pdf, ComponentLink2Description="Product Folder", ComponentLink2URL=http://www.ti.com/product/tpd4e004, ComponentLink3Description="Online Datasheet", ComponentLink3URL=http://www.ti.com/product/tpd4e004/datasheet, CompType=IC, DatasheetVersion=SLVS729A, Eco-Plan="Green (RoHS & no Sb/Br)", IEC 61000-4-2 Air-Gap(+/- kV)=12, IEC 61000-4-2 Contact(+/- kV)=8, Mounting Technology="Surface Mount", MountType=SMT, PackageDescription=USON-6, PackageReference=DRY0006A, PackageVersion="revF, Dec-2011", PartNumber=TPD4E004DRYR, RoHS=Y, Serial ATA / eSATA=TRUE, SizeArea_mm2=1.45, SizeAreaWB_mm2=4.9, SizeX_mm=1.0, SizeY_mm=1.45, SizeZ_mm=0.6, SubFamily="ESD Solution", USB High Speed=TRUE
Y1: library part CMP-0004635-3, "Crystal, 16 MHz, 8pF, SMD", Frequency_Fixed=16MHz, Frequency Stability=+/-30ppm, Manufacturer=NDK, Supplier Part Number 1=644-1157-1-ND, ComponentLink1Description="Datasheet Link", ComponentLink1URL=http://www.ndk.com/images/products/catalog/c_NX3225GA-STD-CRG-1_e.pdf, CompType=Crystal, MountType=SMT, PackageReference=3.2x0.75x2.5mm, PartNumber=NX3225GA-16.000M-STD-CRG-1, RoHS=Y, Supplier 1=Digi-Key, TaMax_C=70°C, TaMin_C=-10°C
Y2: library part CMP-0080365-1, "Crystal, 20 MHz, 25 ppm, 18, SMD", Frequency_Fixed=20MHz, Frequency Stability="30 ppm", Frequency Tolerance="25 ppm", Load Capacitance=18, Manufacturer="ECS Inc.", Supplier Part Number 1=XC2693CT-ND, AEC Category=Q200, AEC Grade=N/A, AEC Qualified=N, ComponentLink1Description="Datasheet Link", ComponentLink1URL=http://www.ecsxtal.com/store/pdf/ecx_53b.pdf, CompType=Crystal, MountType=SMT, PackageReference=5x3.2mm, PartNumber=ECS-200-18-30B-AGN-TR, RoHS=Y, Supplier 1=Digi-Key, Supplier 2=Mouser, Supplier Part Number 2=520-200-18-30B-AGNT, TaMax_C=85°C, TaMin_C=-40°C

## Free pads (board coordinates)
  round 0 on Mech16 paste+0 mask+0: 1(12.603,133.304) 1(12.603,133.304)

## Via types
v1: diameter 0.559, hole 0.254, Top Signal to Bottom Signal, tented both sides, 335 vias
v2: diameter 0.559, hole 0.254, Top Signal to Bottom Signal, 17 vias
v3: diameter 1.27, hole 0.711, Top Signal to Bottom Signal, 11 vias
v4: diameter 1.651, hole 1.016, Top Signal to Bottom Signal, 3 vias

## Nets (pads, with @x,y where several pads share a name; then routed paths per layer and width w, separated by ;. In a path a pad name is that pad's centre, name@x,y a point inside that pad or via, vN(x,y) a via of type N, cw(c..) or ccw(c..) an arc to the next point about the centre after c; other vN are vias at no path point)
+3V3: C1.1 C2.1 C6.1 C15.1 C19.1 C40.1 C41.2 C49.1 C51.1 C52.1 C53.1 C54.1 C55.1 C56.1 C57.1 C58.1 F4.2 J1.1 J5.1 J10.1 J11.10 J102.1 L2.1 L3.1 R3.2 R4.2 R6.2 R10.2 R11.2 R29.2 R30.2 R32.2 R33.2 R34.2 R36.2 R37.2 R42.1 R54.2 R57.2 R58.2 R59.2 R60.2 R61.2 R65.2 R70.2 TP4.1 U2.7 U2.8 U2.9 U2.16 U2.26 U2.28 U2.39 U2.47 U2.51 U2.52 U2.69 U2.79 U2.90 U2.101 U2.113 U2.122 U3.12 U3.13 U3.14 U3.16 U4.3 U4.4 U4.5 U6.5 U7.2 U10.3 U12.8 | length 87.9
  Top Signal w0.203: C19.1@25.4,53.086 C19.1@25.419,53.105 ; C19.1@25.4,53.124 v1(25.4,54.356) ; U3.12@26.086,140.589 26.086,142.926 U3.14@26.162,143.002 ; U3.16@26.086,145.669 C1.1@28.829,145.669 ; R3.2@26.162,129.702 26.162,129.54 v1(27.051,129.54) ; U3.14@26.162,143.256 26.162,143.129 C2.1@29.845,143.129 ; 28.956,145.634 29.556,145.634 v1(29.718,145.796) ; v1(29.972,142.24) C2.1@29.972,143.164 ; v1(32.004,32) 32.633,31.371 U7.2@32.633,30.394 ; U2.28@32.94,134.592 32.943,134.595 v1(34.112,134.595) ; U2.26@32.94,135.392 33.772,135.392 34.036,135.128 v1@34.036,134.62 ; U2.16@32.94,139.392 32.994,139.446 v1(34.29,139.446) ; U2.9@32.94,142.192 34.08,142.192 34.236,142.347 34.236,142.592 ; U2.8@32.94,142.592 34.236,142.592 ; U2.7@32.94,142.992 34.265,142.992 34.265,142.621 34.236,142.592 ; R32.2@34.036,81.15 34.061,81.125 34.061,80.366 v1@34.163,80.264 ; v1(36.83,132.715) 36.83,131.502 U2.39@36.84,131.492 ; v1(36.83,145.72) 36.83,146.882 U2.122@36.84,146.892 ; R54.2@37.084,19.777 v1(37.084,20.701) ; U12.8@37.465,125.995 37.465,125.248 v1(37.592,125.121) ; v1(37.719,122.454) 37.754,122.489 R57.2@38.735,122.489 ; v1@38.846,111.776 38.83,111.76 v1(38.735,111.76) 38.735,112.903 R29.2@38.862,113.03 ; v1(39.497,111.506) 39.497,110.871 39.624,110.744 R36.2@39.624,110.455 R36.2@39.606,110.472 ; U10.3@39.51,25.088 39.51,24.713 39.907,24.316 39.907,22.202 v1(39.95,22.159) ; U2.47@40.04,131.492 40.04,130.394 v1(40.132,130.302) ; U2.113@40.44,146.892 40.44,147.628 v1(40.894,148.082) ; v1(41.631,132.664) 41.631,132.581 41.64,132.572 41.64,131.492 U2.52@42.031,131.492 ; U6.5@42.164,110.468 42.418,110.214 v1(42.418,109.347) ; v1(42.469,66.573) 42.469,65.989 42.926,65.532 R11.2@42.964,65.532 ; R37.2@44.704,110.455 v1(44.704,111.506) ; R30.2@45.196,113.061 45.339,112.918 v1(45.339,111.887) ; v1(45.237,145.644) 45.237,146.889 U2.101@45.24,146.892 ; v1(45.593,122.708) J102.1@45.593,124.489 ; v1(47.092,142.977) 48.305,142.977 48.33,143.002 U2.90@48.34,142.992 ; v1@47.117,138.557 47.152,138.592 U2.79@48.34,138.592 ; v1(47.142,134.595) 47.269,134.595 47.272,134.592 U2.69@48.34,134.592 ; R4.2@51.146,119.888 v1(52.197,119.888) ; R61.2@51.654,127.254 v1(52.832,127.254) ; R60.2@51.654,128.524 v1(52.832,128.524) ; R59.2@51.654,129.794 v1(52.832,129.794) ; R58.2@51.654,131.064 v1(52.832,131.064) ; R6.2@53.886,124.25 54.102,124.466 v1(54.102,125.222) ; v1(54.102,121.539) 54.102,122.279 U4.5@54.356,122.533 ; C6.1@55.21,118.11 v1(56.134,118.11) ; U4.3@55.306,119.783 55.306,120.584 55.296,120.594 55.372,120.67 v1(55.372,120.777) ; U4.4@55.306,122.533 55.306,121.732 v1(55.499,121.539) ; C40.1@55.626,124.114 56.21,123.53 56.134,123.454 v1(56.134,123.317)
  Bottom Signal w0.203: v1(13.208,67.437) 13.424,67.653 C15.1@13.424,68.58 ; L2.1@14.644,70.358 14.644,71.286 14.732,71.374 v1(14.732,71.628) ; v1(25.4,54.356) 25.4,55.538 L3.1@25.654,55.792 ; v1(26.129,27.298) 26.197,27.366 26.481,27.366 27.5,28.385 R42.1@27.5,28.41 ; v1(26.553,109.821) 26.649,109.821 26.995,109.475 R10.2@27.95,109.475 ; R33.2@30.226,45.882 30.48,45.628 v1(30.48,44.704) ; v1@31.995,31.991 32.067,31.991 32.301,32.226 C41.2@34.414,32.226 ; v1(32.004,44.704) R34.2@32.004,45.882 ; C58.1@33.366,143.51 33.782,143.51 34.29,143.002 34.544,143.256 C56.1@34.544,143.926 ; C57.1@33.528,142.494 33.782,142.494 v1(34.28,142.992) ; v1@34.036,134.62 C55.1@34.96,134.62 ; C49.1@39.9,24.13 39.95,24.08 v1(39.95,22.159) ; C51.1@40.894,147.32 v1(40.894,148.082) ; C54.1@41.402,133.35 41.656,133.096 41.631,133.071 v1(41.631,132.664) ; C52.1@46.304,143.002 46.33,142.977 v1(47.092,142.977) 47.219,142.977 47.244,143.002 v1@47.092,143.002 ; C53.1@46.482,134.62 46.507,134.595 v1(47.142,134.595) ; v1(47.879,132.207) 48.479,132.207 R70.2@48.768,132.496 ; v1(49.53,136.525) 50.257,136.525 R65.2@50.292,136.49 ; J10.1@56.007,146.304 v1(56.896,146.304)
  other v1: 34.087,80.289 47.142,138.557
  other v3: 23.164,120.132 23.47,121.908 22.025,122.909
+5V0: C42.1 F3.2 J1.21 J5.21 J12.4 R48.2 R49.2 R50.2 R62.1 TP5.1 U7.15 | length 6.7
  Top Signal w0.152: R50.2@28.106,19.1 28.106,18.119 v1(28.141,18.084) ; R49.2@31.027,19.1 31.027,18.119 v1(31.062,18.084) ; U7.15@32.633,24.494 32.633,22.544 32.715,22.462 v1(32.715,22.352) ; R48.2@33.821,19.1 R48.2@33.948,19.1 33.983,19.065 v1(33.983,18.084) ; R62.1@49.276,152.35 v1(49.276,153.67)
  other v3: 5.08,111.125 4.039,112.497 6.198,112.497
+12V_GLV: C67.2 F5.2 R7.2 U11.1 | length 7.1
  Top Signal w0.508: v2(13.208,136.621) 14.877,134.953 17.144,134.953 C67.2@17.285,135.093 18.911,135.093 19.317,134.687 R7.2@19.317,134.587
ADCINA0: J5.30 R13.1 | length 3
  Bottom Signal w0.203: J5.30@8.89,19.05 R13.1@11.9,19.05
ADCINA1: J1.30 R15.1 | length 2.8
  Bottom Signal w0.203: J1.30@8.636,82.55 J1.30@8.89,82.55 R15.1@11.392,82.55
ADCINA2: J5.24 U1.9 | length 51.1
  Top Signal w0.203: v1(12.446,35.814) 12.446,61.468 19.05,68.072 21.082,68.072 26.416,73.406 26.416,73.914 25.162,75.168 U1.9@25.162,75.203
  Bottom Signal w0.203: J5.24@8.89,34.29 10.922,34.29 v1(12.446,35.814)
ADCINA3_P2I: J5.29 R16.2 U1.10 | length 70.2
  Top Signal w0.203: J5.29@8.89,21.59 9.398,21.082 17.437,21.082 R16.2@18.326,21.971 19.685,21.971 v1(20.447,22.733) ; 20.066,22.352 v1(20.447,22.733) ; 20.13,22.415 v1(20.447,22.733) ; v1(24.003,75.819) 24.003,75.654 U1.10@24.808,74.849
  Middle Signal w0.203: v1(20.447,22.733) 20.98,23.266 20.98,35.712 21.59,36.322 21.59,43.307 22.098,43.815 22.098,59.436 25.146,62.484 25.146,66.849 24.765,67.23 24.765,75.057 v1(24.003,75.819)
ADCINA4_P2OF: J5.6 R19.1 | length 35
  Top Signal w0.203: v1(20.828,36.83) 21.844,37.846 21.844,49.276 22.733,50.165 22.733,52.197 R19.1@23.622,53.086
  Bottom Signal w0.203: J5.6@6.35,29.21 7.62,30.48 14.478,30.48 v1(20.828,36.83)
ADCINA5: J1.23 U1.35 | length 49
  Top Signal w0.203: U1.35@22.687,63.924 22.776,63.924 23.876,65.024 23.876,66.04 23.622,66.294 v1(23.622,66.548)
  Middle Signal w0.203: v1(19.558,99.568) 19.558,97.028 21.59,94.996 21.59,77.47 23.622,75.438 v1(23.622,66.548)
  Bottom Signal w0.203: J1.23@8.89,100.33 9.652,99.568 19.304,99.568 v1(19.558,99.568)
ADCINA6: J5.23 U1.6 | length 50
  Top Signal w0.203: v1(22.098,68.326) 26.924,73.152 26.924,74.905 26.654,75.175 26.654,75.835 26.226,76.263 U1.6@26.222,76.263
  Middle Signal w0.203: v1(11.684,37.846) 11.684,60.96 19.05,68.326 v1(22.098,68.326)
  Bottom Signal w0.203: J5.23@8.89,36.83 10.668,36.83 v1(11.684,37.846)
ADCINA8_P6OF: J5.8 R22.1 | length 38.1
  Top Signal w0.203: v1(13.208,57.531) 13.208,58.293 R22.1@13.462,58.547
  Middle Signal w0.203: J5.8@6.35,24.003 7.493,25.146 7.493,29.337 8.763,30.607 9.779,30.607 12.954,33.782 12.954,57.15 13.208,57.404 v1(13.208,57.531)
ADCINA9_P5I: J1.29 R20.2 U1.38 | length 37.7
  Top Signal w0.203: J1.29@8.89,85.09 J1.29@9.144,84.836 ; R20.2@19.304,84.874 19.774,84.874 v1(20.574,84.074) ; U1.38@23.748,62.864 24.511,63.627 v1(24.511,66.675)
  Middle Signal w0.203: J1.29@8.763,85.09 J1.29@8.89,85.09 14.478,85.09 15.494,84.074 v1(20.574,84.074)
  Bottom Signal w0.203: v1(20.574,84.074) 20.701,83.947 20.701,77.724 22.479,75.946 22.479,75.057 24.003,73.533 24.003,70.993 24.511,70.485 24.511,66.762 24.359,66.61 v1@24.359,66.602 ; v1@24.344,66.588 24.431,66.675 v1(24.511,66.675)
ADCINB0: J1.24 U1.41 | length 50.7
  Top Signal w0.203: U1.41@24.808,61.803 25.425,62.42 25.425,62.43 25.654,62.658 25.654,67.31 26.289,67.945 v1(26.289,68.58)
  Middle Signal w0.203: v1(20.447,97.79) 20.574,97.79 23.368,94.996 23.368,77.47 26.289,74.549 v1(26.289,68.58)
  Bottom Signal w0.203: J1.24@8.89,97.79 v1(20.447,97.79)
ADCINB1: J1.26 U1.40 | length 41.1
  Top Signal w0.203: v1(8.89,80.01) 7.874,81.026 7.874,92.202 J1.26@8.89,93.218 ; v1(22.86,68.326) 24.13,68.326 25.121,67.335 25.121,62.822 U1.40@24.455,62.156
  Bottom Signal w0.203: v1(8.89,80.01) 15.138,73.762 17.17,73.762 21.336,69.596 21.844,69.596 22.86,68.58 v1(22.86,68.326)
ADCINB2_P1I: J1.27 R14.2 U1.7 | length 28.8
  Top Signal w0.203: J1.27@8.89,90.17 9.144,90.424 R14.2@16.472,90.424 ; R14.2@16.51,90.424 17.272,91.186 19.304,91.186 23.622,86.868 23.622,78.157 U1.7@25.869,75.91
ADCINB3: J1.6 U1.8 | length 32.9
  Top Signal w0.203: v1(22.352,85.344) 22.352,78.72 U1.8@25.515,75.556
  Bottom Signal w0.203: J1.6@6.35,92.71 7.366,93.726 17.272,93.726 22.352,88.646 v1(22.352,85.344)
ADCINB4_P4OF: J5.5 R25.1 | length 31.7
  Top Signal w0.203: v1(20.701,39.497) 20.828,39.624 20.828,52.794 R25.1@21.336,53.302 R25.1@21.374,53.302
  Bottom Signal w0.203: J5.5@6.35,31.75 7.62,33.02 14.224,33.02 v1(20.701,39.497)
ADCINC0_P3I: J1.28 R17.2 U1.19 | length 27.8
  Top Signal w0.203: J1.28@8.89,87.63 v1(15.85,87.63) 15.926,87.63 15.964,87.668 R17.2@17.018,87.668 ; v1@20.776,72.517 U1.19@21.626,71.667 ; v1@20.777,72.518 v1(20.777,72.593)
  Middle Signal w0.203: v1(15.748,76.327) 15.772,76.327 19.506,72.592 ; 19.507,72.593 20.726,72.593 20.777,72.542 v1(20.777,72.593)
  Bottom Signal w0.203: v1(15.748,76.327) 15.316,76.759 15.316,87.097 v1(15.85,87.63)
ADCINC1: J5.26 U1.29 | length 43.8
  Top Signal w0.203: v1(19.228,64.77) 19.29,64.77 U1.29@20.566,66.046
  Middle Signal w0.203: J5.26@8.89,29.21 10.16,29.21 14.478,33.528 14.478,57.433 14.453,57.458 14.453,62.205 17.018,64.77 v1(19.228,64.77)
ADCINC2: J1.25 U1.21 | length 32.8
  Top Signal w0.203: J1.25@8.89,95.25 7.366,93.726 7.366,80.772 9.906,78.232 12.954,78.232 19.736,71.45 20.498,71.45 U1.21@20.98,70.968
ADCINC3_P4I: J5.27 R18.2 | length 10.9
  Top Signal w0.203: v1(18.199,27.394) R18.2@19.431,27.394
  Middle Signal w0.203: J5.27@8.89,26.67 17.475,26.67 v1(18.199,27.394) v1@18.161,27.432
ADCINC4: J1.8 U1.17 | length 27.2
  Top Signal w0.203: v1(21.082,74.168) 21.082,73.626 U1.17@22.333,72.374
  Bottom Signal w0.203: J1.8@6.35,87.63 7.62,86.36 7.62,84.582 8.382,83.82 13.462,83.82 14.732,82.55 14.732,76.454 17.018,74.168 v1(21.082,74.168)